# Altium PCB PCB_CNC.PcbDoc
Units mm, origin at the board's own origin, x right, y up, seen from the top; angles counter-clockwise.
Board outline 100 x 50 mm, 2 copper layers (Top Layer, Bottom Layer); 20 components, 30 nets, 105 pads, 12 vias.
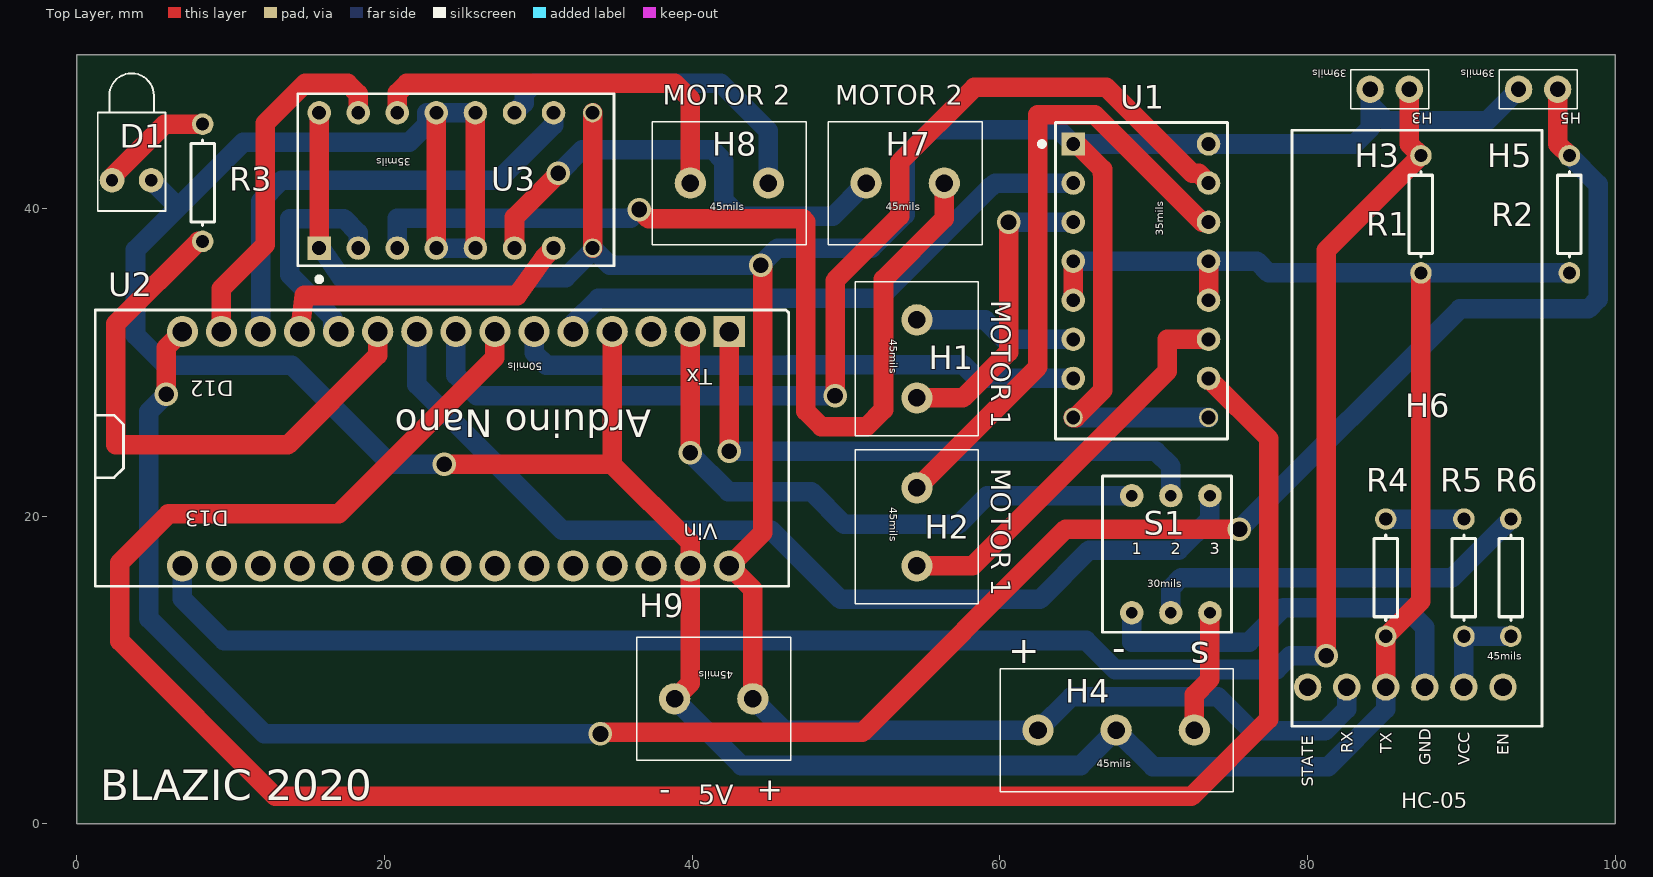
[diagram p0: Top Layer view]
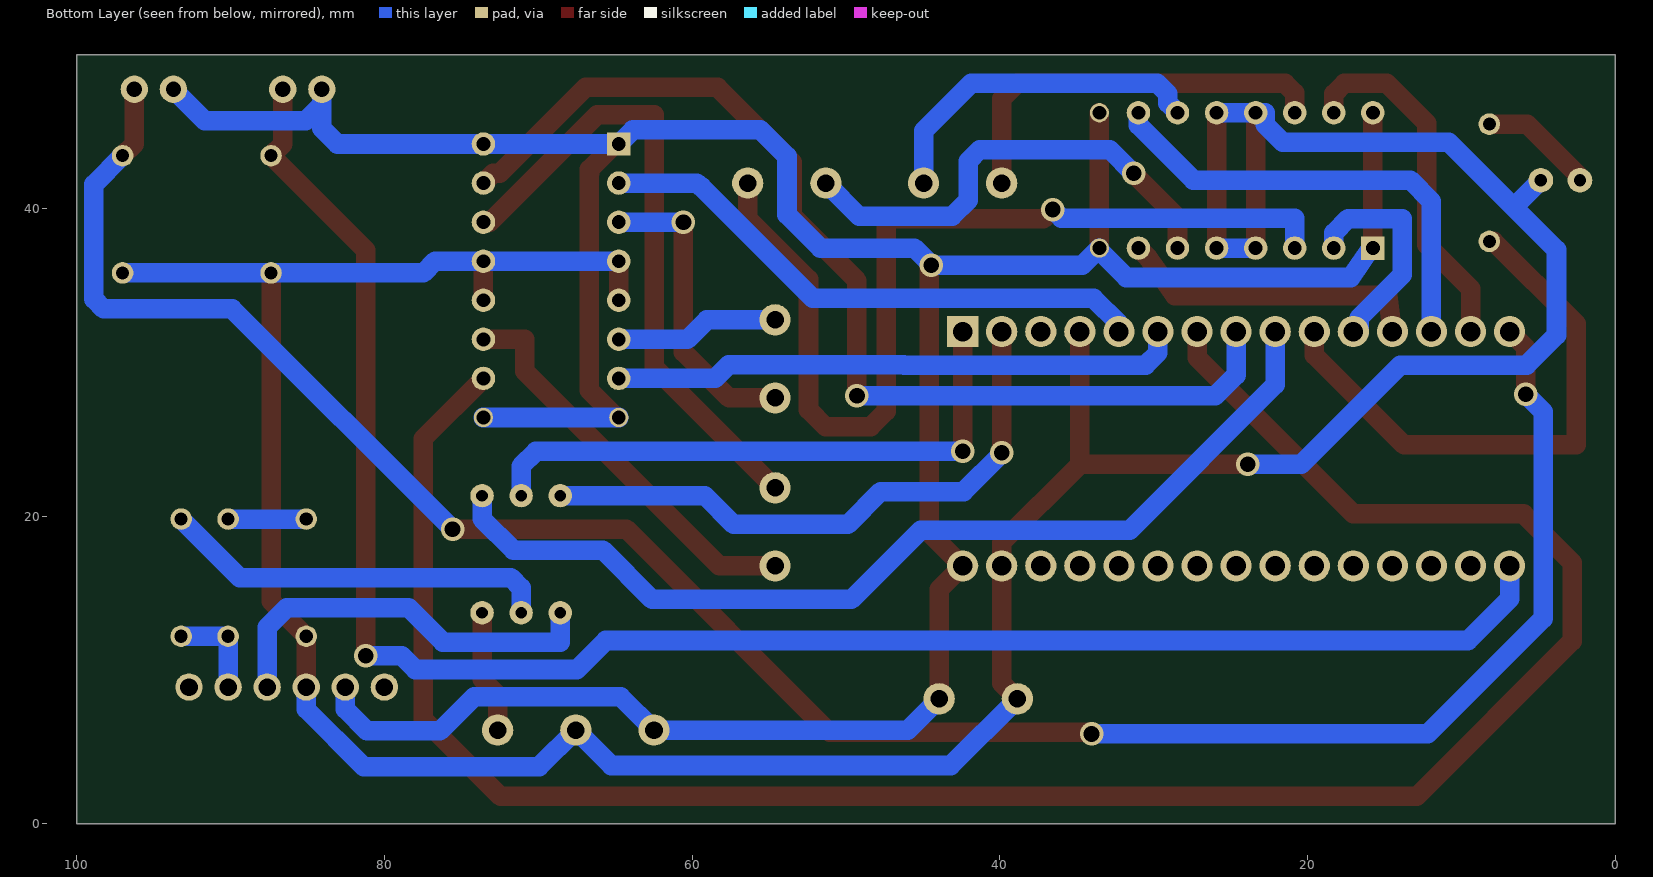
[diagram p1: Bottom Layer view, seen from below]

## Layer stack, top to bottom
Top Solder: solder mask 0.0102, Solder Resist, Dk 3.5
Top Layer: signal copper 0.0356
Dielectric 1: dielectric 0.32, FR-4, Dk 4.8
Bottom Layer: signal copper 0.0356
Bottom Solder: solder mask 0.0102, Solder Resist, Dk 3.5

## Board outline
100,49.988 0,49.988 0,-0.012 100,-0.012

## Design rules (kind name [scope] priority, off if disabled: settings)
Clearance [All] p1: gap=0.508 ignorepadtopadclearanceinfootprint=FALSE
PolygonConnect [All] p1: connectstyle=Relief reliefconductorwidth=0.254 reliefentries=4 polygonreliefangle="90 Angle" airgapwidth=0.254
RoutingVias [All] p1: holewidth=1.016 width=1.524 viastyle="Through Hole" minholewidth=1.016 minwidth=1.524 maxholewidth=1.016 maxwidth=1.524
SilkToSilkClearance [All] p1: silktosilkclearance=0.025
SilkToSolderMaskClearance [IsPad] p1: minsilkscreentomaskgap=0.025 clearancetoexposedcopper=TRUE
SolderMaskExpansion [All] p1: expansion=0.102
Width [All] p1: maxlimit=1.397 minlimit=1.143 preferedwidth=1.27
28 further rules are at their usual default settings.

## Components (designator, comment, footprint, x,y, rotation, side; value= is the part's Value field where it differs from the comment)
D1 "LED1" LED-1 3.556,41.84 r90 top
H1 "MOTOR 1" "1x2 plavi sraf" 54.61,32.766 r270 top
H2 "MOTOR 1" "1x2 plavi sraf" 54.61,21.844 r270 top
H3 "Mikroprekidac" "1X2 HEADER" 85.344,47.752 r180 top
H4 "Comment" "1x3 plavi sraf" 62.484,6.096 r0 top
H5 "Mikroprekidac" "1X2 HEADER" 94.996,47.752 r180 top
H6 "HC-05" HC-05 86.36,8.89 r0 top
H7 "MOTOR 2" "1x2 plavi sraf" 51.308,41.656 r0 top
H8 "MOTOR 2" "1x2 plavi sraf" 39.878,41.656 r0 top
H9 "5V" "1x2 plavi sraf" 43.942,8.128 r180 top
R1 "Res1" AXIAL-0.3 87.376,39.624 r270 top value=10k
R2 "Res1" AXIAL-0.3 97.028,39.624 r270 top value=10k
R3 "Res1" AXIAL-0.3 8.179,41.675 r90 top value=220
R4 "Res1" AXIAL-0.3 85.09,16.002 r90 top value=1K
R5 "Res1" AXIAL-0.3 90.17,16.002 r270 top value=1K
R6 "Res1" AXIAL-0.3 93.218,16.002 r270 top value=1K
S1 "3X DIP Switch" "3X DIP SWITCH" 73.66,21.336 r270 top
U1 "L293D" L293D 64.77,44.196 r0 top
U2 "Arduino Nano" "Arduino nano" 24.638,24.384 r0 top
U3 "L293D" L293D 15.748,37.428 r90 top

## Footprints (in the part's own frame and the unit in brackets; to place one, negate y for a bottom-side part, rotate by r counter-clockwise, add the part's x,y. Pads: shape width x height; smd on the part's side, far side on the other; paste and mask are expansions set on the pad)
"1X2 HEADER" [mil] "100mils razmak"
  round 70 hole 39: 1(-50,0) 2(50,0)
  silkscreen extent -100,-50 100,50
"1x2 plavi sraf" [mil]
  round 80 hole 45: 1(0,0) 2(200,0)
  silkscreen extent -97,-157 297,157, body extent -99,-178 301,176, height 599
"1x3 plavi sraf" [mil]
  round 80 hole 45: 1(0,0) 2(200,0) 3(400,0)
  silkscreen extent -97,-157 500,157
"3X DIP SWITCH" [mil]
  round 60 hole 30: 1(0,-200) 2(0,-100) 3(0,0) 4(300,-200) 5(300,-100) 6(300,0)
  silkscreen extent -50,-275 350,55, body extent -45,-270 345,51, height 252
"Arduino nano" [mil] "arduino nano"
  rect 80x80 hole 50: 0(700,300)
  round 80 hole 50: 1(600,300) 2(500,300) 3(400,300) 4(300,300) 5(200,300) 6(100,300) 7(0,300) 8(-100,300) 9(-200,300) 10(-300,300) 11(-400,300) 12(-500,300) 13(-600,300) 14(-700,300) 15(-700,-300) 16(-600,-300) 17(-500,-300) 18(-400,-300) 19(-300,-300) 20(-200,-300) 21(-100,-300) 22(0,-300) 23(100,-300) 24(200,-300) 25(300,-300) 26(400,-300) 27(500,-300) 28(600,-300) 29(700,-300)
  silkscreen extent -923,-352 852,355, body extent -921,-354 850,354, height 496
AXIAL-0.3 [mm] "Axial Device, Thru-Hole; 2 Leads; 0.3 in Pin Spacing"
  round 1.4 hole 0.85: 1(-3.81,0) 2(3.81,0)
  silkscreen extent -2.77,-0.76 2.77,0.76
HC-05 [mil] "Bluetooth modul"
  round 70 hole 45: 1(-250,0) 2(-150,0) 3(-50,0) 4(50,0) 5(150,0) 6(250,0)
  silkscreen extent -290,-100 350,1425
L293D [mm]
  rect 1.524x1.524 hole 0.9: 1(0,0)
  round 1.524 hole 0.9: 2(0,-2.54) 3(0,-5.08) 4(0,-7.62) 5(0,-10.16) 6(0,-12.7) 7(0,-15.24) 10(8.8,-15.24) 11(8.8,-12.7) 12(8.8,-10.16) 13(8.8,-7.62) 14(8.8,-5.08) 15(8.8,-2.54) 16(8.8,0)
  round 1.25 hole 0.9: 8(0,-17.78) 9(8.8,-17.78)
  silkscreen extent -2.16,-19.18 10.03,1.4, body extent 0.25,-18.89 8.38,1.11, height 5.24
LED-1 [mm] "LED; 2 Leads"
  round 1.6 hole 0.8: 1(0,1.27) 2(0,-1.27)
  silkscreen extent -2,-2.2 6.95,2.2

## Part data
D1: "Typical RED GaAs LED", LatestRevisionDate=08-Jul-2005, LatestRevisionNote="Mech Layer 1 removed.", PackageDescription="LED; 2 Leads", PackageReference=LED-1, Published=8-Jun-2000, Publisher="Altium Limited"
H1 H2 H7 H8 H9: library part "1x2 plavi sraf"
H3 H5: library part "1X2 HEADER"
H4: library part "1x3 plavi sraf"
R1 R2 R3 R4 R5 R6: "Resistor", LatestRevisionDate=17-Jul-2002, LatestRevisionNote="Re-released for DXP Platform.", PackageDescription="Axial Device, Thru-Hole; 2 Leads; 0.3 in Pin Spacing", PackageReference=AXIAL-0.3, Published=8-Jun-2000, Publisher="Altium Limited"
U1 U3: "Motor Driver"
U2: library part ArduinoNano

## Via types
v1: diameter 1.524, hole 1.016, Top Layer to Bottom Layer, 12 vias

## Nets (pads, with @x,y where several pads share a name; then routed paths per layer and width w, separated by ;. In a path a pad name is that pad's centre, name@x,y a point inside that pad or via, vN(x,y) a via of type N, cw(c..) or ccw(c..) an arc to the next point about the centre after c; other vN are vias at no path point)
5V: H3.2 H4.1 H5.2 H6.2 H9.1 U1.1 U1.8 U1.9 U1.16 U2.29 U3.1 U3.8 U3.9 U3.16 | length 209.9
  Top Layer w1.27: U3.1 U3.16 ; U3.8 U3.9 ; H9.1 43.942,15.24 U2.29 44.589,18.935 44.589,36.183 v1(44.45,36.322) ; U1.8 64.924,26.416 66.687,28.179 66.687,42.279 66.675,42.291 66.675,42.545 65.024,44.196 U1.1
  Bottom Layer w1.27: U3.1 15.875,37.428 17.183,35.515 31.769,35.515 33.528,37.274 U3.8 34.634,36.322 v1(44.45,36.322) 45.556,37.428 51.658,37.428 53.835,39.605 53.835,43.389 55.566,45.12 63.846,45.12 U1.1 U1.16 83.058,44.196 84.074,45.212 84.074,46.755 ; H9.1 45.974,6.096 H4.1 64.643,8.255 74.179,8.255 76.395,6.039 81.141,6.039 82.55,7.448 H6.2 ; U1.8 U1.9 ; H3.2 84.074,46.755 ; H5.2 91.675,45.701 85.128,45.701 84.074,46.755
GND: D1.2 H4.2 H6.3 H9.2 R1.2 R2.2 R4.1 U1.4 U1.5 U1.12 U1.13 U2.3 U2.28 U3.4 U3.5 U3.12 U3.13 | length 233.8
  Top Layer w1.27: U3.4 U3.13 ; v1(23.876,23.368) 34.798,23.368 ; U3.5 U3.12 ; U2.3 34.798,23.368 ; H9.2 39.878,9.144 U2.28 39.878,18.288 34.798,23.368 ; U1.5 U1.4 ; U1.12 U1.13 ; H6.3 R4.1 87.376,14.478 R1.2
  Bottom Layer w1.27: D1.2 6.534,40.132 6.636,40.132 ; U3.4 U3.5 ; v1(23.876,23.368) 20.415,23.368 13.957,29.826 5.753,29.826 3.81,31.769 3.81,37.306 6.636,40.132 ; U3.12 U3.13 22.733,46.228 22.733,45.439 21.598,44.304 10.807,44.304 6.636,40.132 ; H9.2 43.199,3.791 65.259,3.791 H4.2 69.945,3.715 81.356,3.715 85.09,7.448 H6.3 ; U1.4 U1.13 76.708,36.576 77.47,35.814 R1.2 R2.2
NetD1_1: D1.1 R3.2 | length 7.5
  Top Layer w1.27: D1.1 2.286,42.048 5.723,45.485 R3.2
NetH1_1: H1.1 U1.6 | length 10.7
  Bottom Layer w1.27: H1.1 59.042,32.766 60.312,31.496 U1.6
NetH1_2: H1.2 U1.3 | length 19.8
  Top Layer w1.27: H1.2 57.591,27.686 60.566,30.661 v1(60.566,39.116)
  Bottom Layer w1.27: v1(60.566,39.116) U1.3
NetH2_1: H2.1 U1.14 | length 41.5
  Top Layer w1.27: H2.1 62.471,29.705 62.471,46.101 66.167,46.101 73.152,39.116 U1.14
NetH2_2: H2.2 U1.11 | length 26.3
  Top Layer w1.27: H2.2 58.223,16.764 70.894,29.435 70.894,31.496 U1.11
NetH3_1: H3.1 R1.1 U2.15 | length 118.5
  Top Layer w1.27: v1(81.216,10.928) 81.216,37.274 R1.1 86.614,44.196 H3.1
  Bottom Layer w1.27: U2.15 6.858,14.624 9.563,11.919 65.614,11.919 67.5,10.033 77.99,10.033 78.886,10.928 v1(81.216,10.928)
NetH4_3: H4.3 S1.6 | length 8
  Top Layer w1.27: H4.3 72.644,8.382 73.66,9.398 S1.6
NetH5_1: H5.1 R2.1 U2.14 | length 143.3
  Top Layer w1.27: v1(5.804,27.921) 5.804,30.95 U2.14 ; v1(34.036,5.842) 34.144,5.95 51.066,5.95 64.274,19.158 v1(75.577,19.158) ; H5.1 96.266,44.196 R2.1
  Bottom Layer w1.27: v1(5.804,27.921) 4.686,26.803 4.686,13.348 12.192,5.842 v1(34.036,5.842) ; v1(75.577,19.158) 89.903,33.483 98.26,33.483 98.895,34.118 98.895,41.567 R2.1
NetH6_4: H6.4 S1.4 | length 26.3
  Bottom Layer w1.27: S1.4 68.58,11.811 76.2,11.811 78.441,14.052 86.347,14.052 87.63,12.769 H6.4
NetH6_5: H6.5 R5.2 R6.2 | length 6.3
  Bottom Layer w1.27: H6.5 R5.2 R6.2
NetH7_1: H7.1 U3.6 | length 30.9
  Top Layer w1.27: U3.6 28.448,39.427 v1(31.305,42.284)
  Bottom Layer w1.27: v1(31.305,42.284) 32.842,43.821 41.313,43.821 42.049,43.085 42.049,40.545 43.097,39.497 49.149,39.497 H7.1
NetH7_2: H7.2 U3.3 | length 63.7
  Top Layer w1.27: v1(36.563,39.935) 37.173,39.325 47.206,39.325 47.383,39.148 47.383,26.829 48.399,25.813 51.327,25.813 52.438,26.924 52.438,35.395 56.388,39.345 H7.2
  Bottom Layer w1.27: U3.3 20.828,39.37 35.998,39.37 v1(36.563,39.935)
NetH8_1: H8.1 U3.14 | length 26.5
  Top Layer w1.27: U3.14 20.828,47.517 21.45,48.139 38.874,48.139 39.878,47.136 H8.1
NetH8_2: H8.2 U3.11 | length 22.3
  Bottom Layer w1.27: U3.11 29.07,46.85 29.07,47.453 29.756,48.139 41.864,48.139 44.958,45.045 H8.2
NetR3_1: R3.1 U2.9 | length 36.7
  Top Layer w1.27: R3.1 7.893,37.865 2.54,32.512 2.54,24.638 13.722,24.638 19.558,30.474 U2.9
NetR4_2: R4.2 R5.1 | length 5.1
  Bottom Layer w1.27: R4.2 R5.1
NetR6_1: R6.1 S1.5 | length 25.6
  Bottom Layer w1.27: S1.5 71.12,15.335 71.793,16.008 89.414,16.008 R6.1
NetS1_1: S1.1 U2.1 | length 39.3
  Top Layer w1.27: v1(39.878,24.13) U2.1
  Bottom Layer w1.27: v1(39.878,24.13) 39.878,24.058 42.346,21.59 47.752,21.59 49.879,19.463 57.309,19.463 59.182,21.336 S1.1
NetS1_2: S1.2 U2.0 | length 38.8
  Top Layer w1.27: v1(42.418,24.212) U2.0
  Bottom Layer w1.27: v1(42.418,24.212) 70.155,24.212 71.12,23.247 S1.2
NetS1_3: S1.3 U2.8 | length 64.5
  Bottom Layer w1.27: U2.8 22.098,28.543 31.559,19.082 45.148,19.082 49.644,14.586 62.604,14.586 65.805,17.786 71.615,17.786 73.66,19.831 S1.3
NetU1_2: U1.2 U2.4 | length 36.8
  Bottom Layer w1.27: U2.4 32.258,32.517 33.904,34.163 52.152,34.163 59.391,41.402 59.436,41.402 59.69,41.656 U1.2
NetU1_7: U1.7 U2.5 | length 37.1
  Bottom Layer w1.27: U2.5 29.718,30.626 30.518,29.826 46.215,29.826 46.24,29.851 57.62,29.851 58.515,28.956 U1.7
NetU1_10: U1.10 U2.6 | length 141.4
  Top Layer w1.27: U2.6 27.178,30.308 17.018,20.148 5.956,20.148 2.794,16.986 2.794,11.88 12.896,1.778 72.447,1.778 77.482,6.813 77.482,25.044 U1.10
NetU1_15: U1.15 U2.7 | length 69.7
  Top Layer w1.27: v1(49.288,27.819) 49.288,35.312 53.479,39.503 53.479,43.008 58.35,47.879 66.929,47.879 72.517,42.291 72.935,42.291 U1.15
  Bottom Layer w1.27: U2.7 24.638,29.178 25.997,27.819 v1(49.288,27.819)
NetU2_10: U2.10 U3.2 | length 14.7
  Bottom Layer w1.27: U2.10 16.637,32.004 16.637,32.898 13.83,35.705 13.83,39.351 17.361,39.351 18.288,38.423 U3.2
NetU2_11: U2.11 U3.7 | length 20.1
  Top Layer w1.27: U2.11 14.783,34.347 28.613,34.347 30.365,36.805 U3.7
NetU2_12: U2.12 U3.10 | length 30.4
  Bottom Layer w1.27: U2.12 11.938,40.468 13.31,41.84 27.412,41.84 30.988,45.416 U3.10
NetU2_13: U2.13 U3.15 | length 23.3
  Top Layer w1.27: U2.13 9.398,34.792 12.255,37.649 12.255,45.548 14.84,48.133 17.608,48.133 18.288,47.453 U3.15
pads on no net: H6.1 H6.6 U2.2 U2.16 U2.17 U2.18 U2.19 U2.20 U2.21 U2.22 U2.23 U2.24 U2.25 U2.26 U2.27

## Silkscreen, mask and mechanical layers (free items; w line width, h text height)
Top Overlay:
  text "BLAZIC 2020" at 1.524,1.524 h2
  text "-" at 37.846,1.524 h1.5
  text "+" at 44.196,1.524 h1.5

## Text inside footprints (layer, text, board x,y; h text height)
H1: Top Overlay "45mils" at 52.832,31.496 h0.51 r270
H2: Top Overlay "45mils" at 52.832,20.574 h0.51 r270
H3: Top Overlay "39mils" at 82.55,49.022 h0.51 r180
H4: Top Overlay "45mils" at 66.294,3.683 h0.51; Top Overlay "+" at 62.611,11.938 h1.78 r180; Top Overlay "-" at 68.199,11.938 h1.78 r180; Top Overlay "s" at 73.66,11.811 h1.78 r180
H5: Top Overlay "39mils" at 92.202,49.022 h0.51 r180
H6: Top Overlay "45mils" at 91.694,10.668 h0.51; Top Overlay "EN" at 93.091,4.445 h0.76 r90; Top Overlay "VCC" at 90.551,3.81 h0.76 r90; Top Overlay "GND" at 88.011,3.81 h0.76 r90; Top Overlay "TX" at 85.471,4.572 h0.76 r90; Top Overlay "RX" at 82.931,4.572 h0.76 r90; Top Overlay "STATE" at 80.391,2.413 h0.76 r90
H7: Top Overlay "45mils" at 52.578,39.878 h0.51
H8: Top Overlay "45mils" at 41.148,39.878 h0.51
H9: Top Overlay "45mils" at 42.672,9.906 h0.51 r180
S1: Top Overlay "1" at 68.58,17.526 h0.76; Top Overlay "2" at 71.12,17.526 h0.76; Top Overlay "3" at 73.66,17.526 h0.76; Top Overlay "30mils" at 69.596,15.367 h0.51
U1: Top Overlay "35mils" at 70.612,38.227 h0.51 r90
U2: Top Overlay "Tx" at 41.3,29.566 h1.02 r180; Top Overlay "D12" at 10.185,28.804 h1.02 r180; Top Overlay "D13" at 9.881,20.345 h1.02 r180; Top Overlay "Vin" at 41.656,19.507 h1.02 r180; Top Overlay "50mils" at 30.251,29.972 h0.51 r180
U3: Top Overlay "35mils" at 21.717,43.27 h0.51 r180